# Altium PCB mchf_pro_ui.PcbDoc (part 3 of 5)
Units mil, origin at the board's own origin, x right, y up, seen from the top; angles counter-clockwise.
Board outline 7877.73 x 5661.04 mil, 2 copper layers (Top Layer, Bottom Layer); 336 components, 338 nets, 1291 pads, 827 vias.
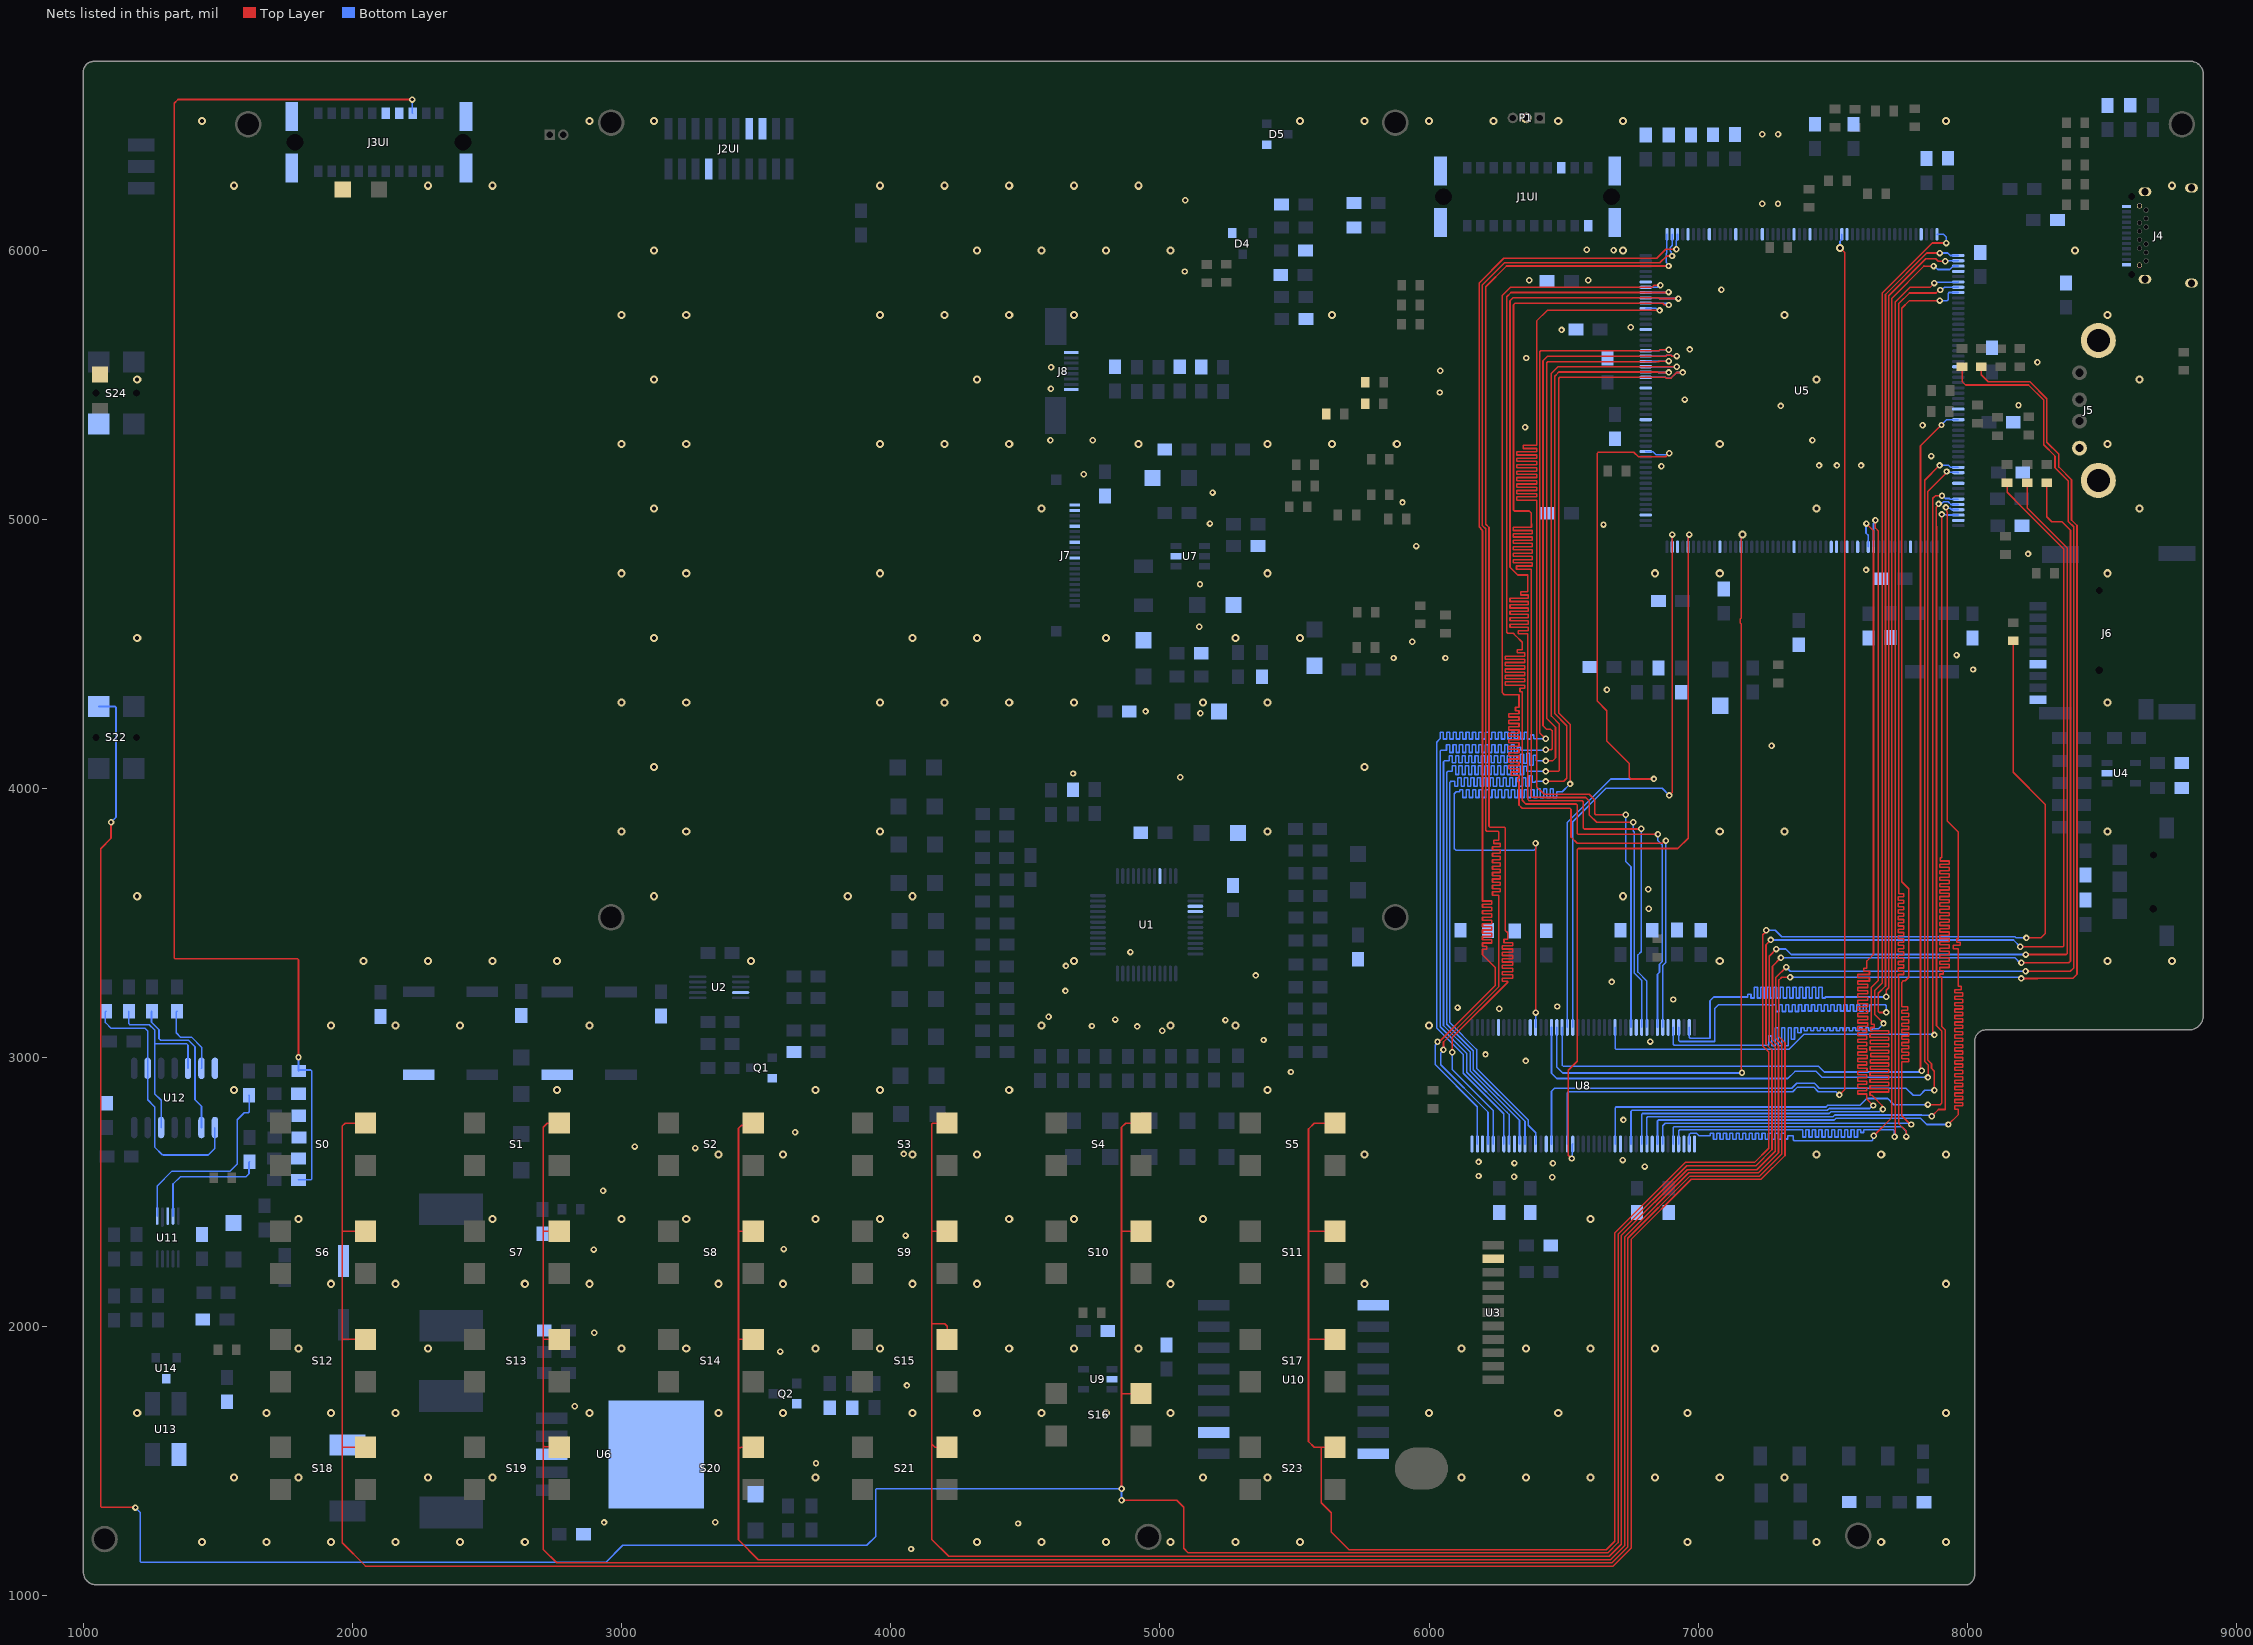
[diagram p3: the nets of this part, all layers, seen from the top]

## Via types
v1: diameter 24, hole 12, Top Layer to Bottom Layer, 621 vias
v2: diameter 30, hole 15, Top Layer to Bottom Layer, 206 vias

## Nets (pads, with @x,y where several pads share a name; then routed paths per layer and width w, separated by ;. In a path a pad name is that pad's centre, name@x,y a point inside that pad or via, vN(x,y) a via of type N, cw(c..) or ccw(c..) an arc to the next point about the centre after c; other vN are vias at no path point) (continued)
FMC_D7: U5.81 U8.13 | length 4705.1
  Top Layer w6: v1(6395.91,3796.92) 6396.1,3796.72 v1(6396.1,3167.53) ; v1(6523.91,4017.44) 6524.01,4017.54 6524.01,4238.75 6482.28,4280.48 6482.28,5524.69 6485.79,5528.21 6878.82,5528.21 6881.82,5525.21 6899.22,5525.21 6920.22,5546.21 v1(6942.88,5546.21)
  Bottom Layer w6: U8.13@6395.91,3112.61 6396.1,3112.8 v1(6396.1,3167.53) ; v1(6395.91,3796.92) 6395.91,3776.34 6391.02,3771.45 6098.72,3771.45 6093.55,3776.62 6093.55,3980.47 6100.78,3987.7 6110.71,3987.7 6113.71,3987.7 6113.71,3996.25 6125.71,3996.25 6125.71,3966.87 6137.71,3966.87 6137.71,3996.25 6149.71,3996.25 6149.71,3966.87 6161.71,3966.87 6161.71,3996.25 6173.71,3996.25 6173.71,3966.87 6185.71,3966.87 6185.71,3996.25 6197.71,3996.25 6197.71,3966.87 6209.71,3966.87 6209.71,3996.25 6221.71,3996.25 6221.71,3966.87 6233.71,3966.87 6233.71,3996.25 6245.71,3996.25 6245.71,3966.87 6257.71,3966.87 6257.71,3996.25 6269.71,3996.25 6269.71,3966.87 6281.71,3966.87 6281.71,3996.25 6293.71,3996.25 6293.71,3966.87 6305.71,3966.87 6305.71,3996.25 6317.71,3996.25 6317.71,3966.87 6329.71,3966.87 6329.71,3996.25 6341.71,3996.25 6341.71,3966.87 6353.71,3966.87 6353.71,3996.25 6365.71,3996.25 6365.71,3966.87 6377.71,3966.87 6377.71,3996.25 6389.71,3996.25 6389.71,3966.87 6401.71,3966.87 6401.71,3999.24 6413.71,3999.24 6413.71,3966.87 6425.71,3966.87 6425.71,3999.24 6437.71,3999.24 6437.71,3966.87 6449.71,3966.87 6449.71,3999.24 6461.71,3999.24 6461.71,3966.87 6473.71,3966.87 6473.71,3987.7 6479.3,3987.7 6494.36,3987.7 6523.91,4017.25 v1(6523.91,4017.44) ; U5.81@6805.08,5528.13 6805.16,5528.21 6878.82,5528.21 6881.82,5525.21 6899.22,5525.21 6920.22,5546.21 v1(6942.88,5546.21)
FMC_D8: U5.82 U8.74 | length 4740.3
  Top Layer w6: v1(6433.52,4026.78) 6500.07,4026.78 6512.01,4038.71 6512.01,4233.78 6466.52,4279.27 6466.52,5531.78 6478.76,5544.02 6478.76,5544.3 6482.28,5547.81 6850.37,5547.81 6851.97,5546.21 v1(6890.52,5546.21)
  Bottom Layer w6: U8.74@6395.91,2679.53 6395.91,2721.32 6368.54,2748.69 6368.54,2768.65 6176.52,2960.66 6176.52,3030.81 6077.52,3129.81 6077.52,4023.27 6080.11,4025.86 6081.04,4026.78 6095.11,4026.78 6095.11,4008.25 6107.11,4008.25 6107.11,4040.43 6119.11,4040.43 6119.11,4008.25 6131.11,4008.25 6131.11,4040.43 6143.11,4040.43 6143.11,4008.25 6155.11,4008.25 6155.11,4040.43 6167.11,4040.43 6167.11,4008.25 6179.11,4008.25 6179.11,4040.43 6191.11,4040.43 6191.11,4008.25 6203.11,4008.25 6203.11,4040.43 6215.11,4040.43 6215.11,4008.25 6227.11,4008.25 6227.11,4040.43 6239.11,4040.43 6239.11,4008.25 6251.11,4008.25 6251.11,4040.43 6263.11,4040.43 6263.11,4008.25 6275.11,4008.25 6275.11,4040.43 6287.11,4040.43 6287.11,4008.25 6299.11,4008.25 6299.11,4040.43 6311.11,4040.43 6311.11,4008.25 6323.11,4008.25 6323.11,4040.43 6335.11,4040.43 6335.11,4008.25 6347.11,4008.25 6347.11,4040.43 6359.11,4040.43 6359.11,4008.25 6371.11,4008.25 6371.11,4048.25 6383.11,4048.25 6383.11,4023.57 6395.11,4023.57 6395.11,4026.78 6404.49,4026.78 v1(6433.52,4026.78) ; U5.82@6805.08,5547.81 6850.37,5547.81 6851.97,5546.21 v1(6890.52,5546.21)
FMC_D9: U5.83 U8.76 | length 4740.2
  Top Layer w6: v1(6433.52,4063.78) 6479.62,4063.78 6483.14,4067.3 6483.14,4240.94 6454.52,4269.56 6454.52,5542.97 6478.76,5567.21 6878.76,5567.21 6879.05,5567.5 v1(6920.28,5567.5)
  Bottom Layer w6: U8.76@6356.54,2679.53 6356.54,2763.67 6164.52,2955.69 6164.52,3025.84 6065.52,3124.84 6065.52,4060.27 6069.04,4063.78 6083.8,4063.78 6086.8,4063.78 6086.8,4084.33 6098.8,4084.33 6098.8,4052.43 6110.8,4052.43 6110.8,4084.33 6122.8,4084.33 6122.8,4052.43 6134.8,4052.43 6134.8,4084.33 6146.8,4084.33 6146.8,4052.43 6158.8,4052.43 6158.8,4084.33 6170.8,4084.33 6170.8,4052.43 6182.8,4052.43 6182.8,4084.33 6194.8,4084.33 6194.8,4052.43 6206.8,4052.43 6206.8,4084.33 6218.8,4084.33 6218.8,4052.43 6230.8,4052.43 6230.8,4084.33 6242.8,4084.33 6242.8,4052.43 6254.8,4052.43 6254.8,4084.33 6266.8,4084.33 6266.8,4052.43 6278.8,4052.43 6278.8,4084.33 6290.8,4084.33 6290.8,4052.43 6302.8,4052.43 6302.8,4084.33 6314.8,4084.33 6314.8,4052.43 6326.8,4052.43 6326.8,4084.33 6338.8,4084.33 6338.8,4052.43 6350.8,4052.43 6350.8,4082.78 6362.8,4082.78 6362.8,4063.78 6374.8,4063.78 6427.79,4063.78 v1(6433.52,4063.78) ; U5.83@6805.08,5567.5 v1(6920.28,5567.5)
FMC_D10: U5.84 U8.77 | length 4741.8
  Top Layer w6: v1(6433.52,4102.78) 6458.76,4102.78 6469.91,4113.92 6469.91,4228.4 6437.71,4260.59 6437.71,5582.69 6441.23,5586.21 6853.47,5586.21 6855.76,5588.5 v1(6890.52,5588.5)
  Bottom Layer w6: U8.77@6336.86,2679.53 6336.04,2680.35 6336.04,2767.2 6152.52,2950.72 6152.52,3020.87 6053.52,3119.87 6053.52,4099.27 6057.04,4102.78 6071.72,4102.78 6074.72,4102.78 6074.72,4121.9 6086.72,4121.9 6086.72,4096.33 6098.72,4096.33 6098.72,4121.9 6110.72,4121.9 6110.72,4096.33 6122.72,4096.33 6122.72,4121.9 6134.72,4121.9 6134.72,4096.33 6146.72,4096.33 6146.72,4121.9 6158.72,4121.9 6158.72,4096.33 6170.72,4096.33 6170.72,4121.9 6182.72,4121.9 6182.72,4096.33 6194.72,4096.33 6194.72,4121.9 6206.72,4121.9 6206.72,4096.33 6218.72,4096.33 6218.72,4121.9 6230.72,4121.9 6230.72,4096.33 6242.72,4096.33 6242.72,4121.9 6254.72,4121.9 6254.72,4096.33 6266.72,4096.33 6266.72,4121.9 6278.72,4121.9 6278.72,4096.33 6290.72,4096.33 6290.72,4121.9 6302.72,4121.9 6302.72,4096.33 6314.72,4096.33 6314.72,4121.9 6326.72,4121.9 6326.72,4096.33 6338.72,4096.33 6338.72,4127.19 6350.72,4127.19 6350.72,4094.78 6362.72,4094.78 6362.72,4130.76 6374.72,4130.76 6374.72,4086.49 6386.72,4086.49 6386.72,4124.09 6398.72,4124.09 6398.72,4102.78 6408.69,4102.78 v1(6433.52,4102.78) ; U5.84@6805.08,5587.18 6805.43,5586.84 6843.25,5586.84 6844.9,5588.5 v1(6890.52,5588.5)
FMC_D11: U5.85 U8.79 | length 4740.2
  Top Layer w6: v1(6433.52,4144.35) 6454.09,4144.35 6457.61,4147.86 6457.61,4214.7 6452.52,4219.78 6437.52,4219.78 6423.52,4233.78 6423.52,5590.11 6440.28,5606.87 6879.19,5606.87 6881.82,5609.5 6899.22,5609.5 6901.85,5606.87 v1(6920.28,5606.87)
  Bottom Layer w6: U8.79@6297.49,2679.53 6297.49,2788.64 6289.8,2796.33 6289.8,2796.47 6140.52,2945.75 6140.52,3015.78 6041.52,3114.78 6041.52,4139.24 6045.04,4142.76 6061.78,4142.76 6064.78,4142.76 6064.78,4163.16 6076.78,4163.16 6076.78,4133.9 6088.78,4133.9 6088.78,4163.16 6100.78,4163.16 6100.78,4133.9 6112.78,4133.9 6112.78,4163.16 6124.78,4163.16 6124.78,4133.9 6136.78,4133.9 6136.78,4163.16 6148.78,4163.16 6148.78,4133.9 6160.78,4133.9 6160.78,4163.16 6172.78,4163.16 6172.78,4133.9 6184.78,4133.9 6184.78,4163.16 6196.78,4163.16 6196.78,4133.9 6208.78,4133.9 6208.78,4163.16 6220.78,4163.16 6220.78,4133.9 6232.78,4133.9 6232.78,4163.16 6244.78,4163.16 6244.78,4133.9 6256.78,4133.9 6256.78,4163.16 6268.78,4163.16 6268.78,4133.9 6280.78,4133.9 6280.78,4163.16 6292.78,4163.16 6292.78,4133.9 6304.78,4133.9 6304.78,4163.16 6316.78,4163.16 6316.78,4133.9 6328.78,4133.9 6328.78,4154.12 6340.78,4154.12 6340.78,4142.76 6401.17,4142.76 6431.93,4142.76 v1(6433.52,4144.35) ; U5.85@6805.08,5606.87 6879.19,5606.87 6881.82,5609.5 6899.22,5609.5 6901.85,5606.87 v1(6920.28,5606.87)
FMC_D12: U5.86 U8.80 | length 4740.2
  Top Layer w6: v1(6433.52,4184.78) 6411.52,4206.78 6411.52,5623.04 6415.04,5626.55 6853.76,5626.55 6857.71,5630.5 v1(6890.52,5630.5)
  Bottom Layer w6: U8.80@6277.8,2679.53 6277.8,2791.5 6127.21,2942.1 6127.21,3011.96 6028.52,3110.65 6028.52,4172.63 6038.29,4182.4 6040.67,4184.78 6041.29,4184.78 6041.29,4208.84 6053.29,4208.84 6053.29,4184.24 6065.29,4184.24 6065.29,4208.84 6077.29,4208.84 6077.29,4184.24 6089.29,4184.24 6089.29,4208.84 6101.29,4208.84 6101.29,4184.24 6113.29,4184.24 6113.29,4208.84 6125.29,4208.84 6125.29,4184.24 6137.29,4184.24 6137.29,4208.84 6149.29,4208.84 6149.29,4184.24 6161.29,4184.24 6161.29,4208.84 6173.29,4208.84 6173.29,4184.24 6185.29,4184.24 6185.29,4208.84 6197.29,4208.84 6197.29,4184.24 6209.29,4184.24 6209.29,4208.84 6221.29,4208.84 6221.29,4184.24 6233.29,4184.24 6233.29,4208.84 6245.29,4208.84 6245.29,4184.24 6257.29,4184.24 6257.29,4208.84 6269.29,4208.84 6269.29,4184.24 6281.29,4184.24 6281.29,4208.84 6293.29,4208.84 6293.29,4184.24 6305.29,4184.24 6305.29,4208.84 6317.29,4208.84 6317.29,4184.24 6329.29,4184.24 6329.29,4208.84 6341.29,4208.84 6341.29,4184.24 6353.29,4184.24 6353.29,4208.84 6365.29,4208.84 6365.29,4184.24 6377.29,4184.24 6377.29,4198.92 6389.29,4198.92 6389.29,4184.78 6403,4184.78 v1(6433.52,4184.78) ; U5.86@6805.08,5626.55 6853.76,5626.55 6857.71,5630.5 v1(6890.52,5630.5)
FMC_D13: U5.105 U8.82 | length 4738.7
  Top Layer w6: v1@6085.52,3021.78 6085.52,3073.78 6292.52,3280.78 6292.52,3283.78 6271.45,3283.78 6271.45,3295.78 6311.42,3295.78 6311.42,3307.78 6271.45,3307.78 6271.45,3319.78 6311.42,3319.78 6311.42,3331.78 6271.45,3331.78 6271.45,3343.78 6311.42,3343.78 6311.42,3355.78 6271.45,3355.78 6271.45,3367.78 6311.42,3367.78 6311.42,3379.78 6271.45,3379.78 6271.45,3391.78 6311.42,3391.78 6311.42,3403.78 6271.45,3403.78 6271.45,3415.78 6311.42,3415.78 6311.42,3427.78 6278.28,3427.78 6278.28,3439.78 6292.52,3439.78 6292.52,3460.41 6292.52,3464.1 6282.5,3474.12 6282.5,3853.38 6278.98,3856.89 6226.04,3856.89 6222.52,3860.41 6222.52,4970.27 6210.52,4982.27 6210.52,5864.56 6287.47,5941.51 6889.57,5941.51 v1(6889.83,5941.78)
  Bottom Layer w6: v1(6086.29,3020.35) 6086.29,2956.01 6238.43,2803.87 U8.82@6238.43,2679.53 ; U5.105@6883.82,6059.62 6883.82,5990.81 6881.89,5988.87 6881.89,5954.59 6889.83,5946.65 v1(6889.83,5941.78)
FMC_D14: U5.106 U8.83 | length 4752.2
  Top Layer w6: v1(6053.52,3029.78) 6053.52,3058.75 6259.45,3264.68 6259.45,3601.12 6259.45,3604.12 6235.51,3604.12 6235.51,3616.12 6265.1,3616.12 6265.1,3628.12 6235.51,3628.12 6235.51,3640.12 6265.1,3640.12 6265.1,3652.12 6235.51,3652.12 6235.51,3664.12 6265.1,3664.12 6265.1,3676.12 6235.51,3676.12 6235.51,3688.12 6265.1,3688.12 6265.1,3700.12 6235.51,3700.12 6235.51,3712.12 6265.1,3712.12 6265.1,3724.12 6235.51,3724.12 6235.51,3736.12 6265.1,3736.12 6265.1,3748.12 6235.51,3748.12 6235.51,3760.12 6265.1,3760.12 6265.1,3772.12 6235.51,3772.12 6235.51,3784.12 6265.1,3784.12 6265.1,3796.12 6239.85,3796.12 6239.85,3808.12 6259.45,3808.12 6259.45,3823.51 6259.45,3838.39 6255.93,3841.9 6214.04,3841.9 6210.52,3845.42 6210.52,4965.3 6198.11,4977.71 6198.11,5871.08 6280.55,5953.51 6857.3,5953.51 6882.63,5978.85 v1(6902.89,5978.85)
  Bottom Layer w6: v1(6053.52,3029.78) 6053.52,3027.7 6043.09,3017.27 6043.09,2973.6 6218.75,2797.95 U8.83@6218.75,2679.53 ; v1(6902.89,5978.85) 6899.44,5982.29 6899.44,5993.97 6896.69,5996.72 6896.69,6011.74 6903.51,6018.56 U5.106@6903.51,6059.62
FMC_D15: U5.107 U8.85 | length 4732.7
  Top Layer w6: v1@6030.52,3060.78 6037.6,3060.78 6042.09,3065.27 6043.07,3065.27 6148.06,3170.26 6246.02,3268.23 6246.02,3335.28 6198.52,3382.78 6198.52,3384.22 6198.52,3402.38 6214.41,3402.38 6214.41,3414.38 6198.52,3414.38 6198.52,3426.38 6232.37,3426.38 6232.37,3438.38 6198.52,3438.38 6198.52,3450.38 6232.37,3450.38 6232.37,3462.38 6198.52,3462.38 6198.52,3474.38 6232.37,3474.38 6232.37,3486.38 6198.52,3486.38 6198.52,3498.38 6232.37,3498.38 6232.37,3510.38 6198.52,3510.38 6198.52,3522.38 6232.37,3522.38 6232.37,3534.38 6198.52,3534.38 6198.52,3546.38 6232.37,3546.38 6232.37,3558.38 6198.46,3558.38 6198.46,3570.38 6232.37,3570.38 6232.37,3582.38 6198.52,3582.38 6198.52,3585.38 6198.52,4958.07 6198.12,4960.38 6186.11,4972.39 6186.11,5878.79 6277.54,5970.22 6845.77,5970.22 6879.77,6004.23 v1(6918.88,6004.23)
  Bottom Layer w6: v1(6031.29,3059.35) 6031.29,3055.61 6022.52,3046.83 6022.52,2975.18 6179.38,2818.32 U8.85@6179.38,2679.53 ; v1(6918.88,6004.23) 6918.88,6036.02 6923.19,6040.33 U5.107@6923.19,6059.62
FMC_D16: U5.94 U8.31 | length 4735.7
  Top Layer w6: v1(6730.52,3902.78) 6619.62,3902.78 6616.11,3906.3 6616.11,3957.78 6595.11,3978.78 6427.93,3978.78 6399.52,4007.19 6399.52,5068.66 6399.52,5071.66 6325.73,5071.66 6325.73,5083.66 6399.52,5083.66 6399.52,5095.66 6325.73,5095.66 6325.73,5107.66 6399.52,5107.66 6399.52,5119.66 6325.73,5119.66 6325.73,5131.66 6399.52,5131.66 6399.52,5143.66 6325.73,5143.66 6325.73,5155.66 6399.52,5155.66 6399.52,5167.66 6325.73,5167.66 6325.73,5179.66 6399.52,5179.66 6399.52,5191.66 6325.73,5191.66 6325.73,5203.66 6399.52,5203.66 6399.52,5215.66 6325.73,5215.66 6325.73,5227.66 6399.52,5227.66 6399.52,5239.66 6325.73,5239.66 6325.73,5251.66 6399.52,5251.66 6399.52,5263.66 6350,5263.66 6350,5275.66 6399.52,5275.66 6399.52,5306.24 6399.52,5736.97 6439.75,5777.19 v1@6853.76,5777.19
  Bottom Layer w6: v1@6730.52,3903.82 6730.52,3728.94 6750.24,3709.22 U8.31@6750.24,3112.61 ; U5.94@6805.08,5784.03 6843.25,5784.03 6850.09,5777.19 v1@6853.76,5777.19
  other v1: 6856.52,5776.78
FMC_D17: U5.95 U8.33 | length 4732
  Top Layer w6: v1(6758.52,3874.78) 6622.52,3874.78 6595.52,3901.78 6595.52,3953.78 6582.52,3966.78 6422.96,3966.78 6422.58,3967.17 6383.79,3967.17 6380.28,3970.68 6380.28,4811.92 6380.28,4814.92 6325.01,4814.92 6325.01,4826.92 6383.81,4826.92 6383.81,4838.92 6312.89,4838.92 6312.89,4850.92 6383.81,4850.92 6383.81,4862.92 6312.89,4862.92 6312.89,4874.92 6383.81,4874.92 6383.81,4886.92 6312.89,4886.92 6312.89,4898.92 6383.81,4898.92 6383.81,4910.92 6312.89,4910.92 6312.89,4922.92 6383.81,4922.92 6383.81,4934.92 6312.89,4934.92 6312.89,4946.92 6383.81,4946.92 6383.81,4958.92 6312.89,4958.92 6312.89,4970.92 6380.54,4970.92 6380.54,4982.92 6380.28,4982.92 6380.28,5017.29 6380.28,5022.66 6371.7,5031.24 6317.52,5031.24 6313.73,5035.03 6313.73,5798.13 6319.31,5803.72 6867.97,5803.72 6873.87,5797.82 6889.48,5797.82 v1(6890.52,5796.78)
  Bottom Layer w6: v1(6758.52,3874.78) 6758.52,3841.99 6762.98,3837.53 6762.98,3314.32 6789.61,3287.69 U8.33@6789.61,3112.61 ; U5.95@6805.08,5803.72 v1@6882.76,5803.72
FMC_D18: U5.96 U8.34 | length 4740.2
  Top Layer w6: v1(6788.22,3850.93) 6787.08,3849.78 6576.62,3849.78 6573.11,3853.3 6573.11,3951.27 6569.59,3954.78 6417.99,3954.78 6417.6,3955.17 6371.86,3955.17 6367.28,3959.75 6367.28,4572.08 6367.28,4575.08 6331.5,4575.08 6331.5,4587.08 6368.28,4587.08 6368.28,4599.08 6300.89,4599.08 6300.89,4611.08 6368.28,4611.08 6368.28,4623.08 6300.89,4623.08 6300.89,4635.08 6368.28,4635.08 6368.28,4647.08 6300.89,4647.08 6300.89,4659.08 6368.28,4659.08 6368.28,4671.08 6300.89,4671.08 6300.89,4683.08 6368.28,4683.08 6368.28,4695.08 6300.89,4695.08 6300.89,4707.08 6368.28,4707.08 6368.28,4719.08 6339.99,4719.08 6339.99,4731.08 6367.28,4731.08 6367.28,4765.73 6367.28,4793.58 6329.38,4793.58 6300.89,4822.08 6300.89,5812.79 6311.5,5823.4 6853.76,5823.4 6856.38,5820.78 v1(6926.63,5820.78)
  Bottom Layer w6: v1(6788.22,3850.93) 6788.22,3393.87 6775.93,3381.59 6775.93,3318.34 6809.3,3284.98 U8.34@6809.3,3112.61 ; U5.96@6805.08,5823.4 6853.76,5823.4 6856.38,5820.78 v1(6926.63,5820.78)
FMC_D19: U5.97 U8.36 | length 4740.2
  Top Layer w6: v1(6850.33,3829.93) 6554.04,3829.93 6550.52,3833.44 6550.52,3939.27 6547.01,3942.78 6413.02,3942.78 6412.89,3942.91 6359.25,3942.91 6345.95,3956.21 6345.95,4357.34 6345.95,4360.34 6337.84,4360.34 6337.84,4372.34 6355.28,4372.34 6355.28,4384.34 6283.45,4384.34 6283.45,4396.34 6355.28,4396.34 6355.28,4408.34 6283.45,4408.34 6283.45,4420.34 6355.28,4420.34 6355.28,4432.34 6283.45,4432.34 6283.45,4444.34 6355.28,4444.34 6355.28,4456.34 6283.45,4456.34 6283.45,4468.34 6355.28,4468.34 6355.28,4480.34 6283.45,4480.34 6283.45,4492.34 6355.28,4492.34 6355.28,4504.34 6328.12,4504.34 6328.12,4516.34 6345.95,4516.34 6345.95,4543.67 6321.04,4568.57 6312.25,4577.37 6292.4,4577.37 6288.89,4580.88 6288.89,5827.81 6304.17,5843.09 6888.4,5843.09 v1(6890.1,5844.78)
  Bottom Layer w6: U5.97@6805.08,5843.09 6888.4,5843.09 v1(6890.1,5844.78) ; U8.36@6848.67,3112.61 6848.67,3309.65 6856.35,3317.33 6856.35,3347.77 6867.11,3358.53 6867.11,3789.42 6850.33,3806.21 v1(6850.33,3829.93)
FMC_D20: U5.98 U8.37 | length 4741.8
  Top Layer w6: v1(6859.52,5869.78) 6835.53,5869.78 6828.52,5862.77 6302.18,5862.77 6271.45,5832.04 6271.45,4357.34 6279.8,4348.99 6333.95,4348.99 6333.95,4301.81 6321.08,4301.81 6321.08,4289.81 6333.95,4289.81 6333.95,4277.81 6296.74,4277.81 6296.74,4265.81 6333.95,4265.81 6333.95,4253.81 6296.74,4253.81 6296.74,4241.81 6333.95,4241.81 6333.95,4229.81 6296.74,4229.81 6296.74,4217.81 6333.95,4217.81 6333.95,4205.81 6296.74,4205.81 6296.74,4193.81 6333.95,4193.81 6333.95,4181.81 6296.74,4181.81 6296.74,4169.81 6333.95,4169.81 6333.95,4157.81 6296.74,4157.81 6296.74,4145.81 6333.95,4145.81 6333.95,4133.81 6296.74,4133.81 6296.74,4121.81 6333.95,4121.81 6333.95,4109.81 6296.74,4109.81 6296.74,4097.81 6333.95,4097.81 6333.95,4085.81 6296.74,4085.81 6296.74,4073.81 6333.95,4073.81 6333.95,4061.81 6305.67,4061.81 6305.67,4049.81 6333.95,4049.81 6333.95,4037.81 6329.39,4037.81 6329.39,4025.81 6333.95,4025.81 6333.95,4022.8 6333.95,3938.85 6345.95,3926.85 6524.01,3926.85 6527.52,3923.33 6527.52,3819.92 6550.52,3796.92 6867.37,3796.92 6876.8,3806.35 v1(6879.88,3806.35)
  Bottom Layer w6: U5.98@6805.08,5862.77 6847.64,5862.77 6854.65,5869.78 v1(6859.52,5869.78) ; U8.37@6868.35,3112.61 6868.35,3342.8 6879.11,3353.55 v1@6879.11,3807.78
FMC_D21: U5.156 U8.39 | length 4741
  Top Layer w6: v1(7688.52,3127.57) 7656.55,3159.54 7656.55,3250.28 7683.76,3277.5 7683.76,5841.03 7869.79,6027.06 v1(7921.86,6027.06)
  Bottom Layer w6: U8.39@6907.72,3112.61 6907.72,3049.7 6911.24,3046.18 7213.98,3046.18 7261.88,3046.18 7261.88,3080.67 7273.88,3080.67 7273.88,3044.07 7285.88,3044.07 7285.88,3111 7297.88,3111 7297.88,3044.07 7309.88,3044.07 7309.88,3111 7321.88,3111 7321.88,3044.12 7333.88,3044.12 7333.88,3111 7345.88,3111 7345.88,3068.12 7357.88,3068.12 7357.88,3111 7369.88,3111 7369.88,3092.12 7381.88,3092.12 7381.88,3111 7393.88,3111 7393.88,3099.78 7405.88,3099.78 7405.88,3111 7417.88,3111 7417.88,3099.78 7429.88,3099.78 7429.88,3111 7441.88,3111 7441.88,3099.78 7453.88,3099.78 7453.88,3111 7465.88,3111 7465.88,3099.78 7477.88,3099.78 7477.88,3111 7489.88,3111 7489.88,3099.78 7501.88,3099.78 7501.88,3111 7513.88,3111 7513.88,3099.78 7525.88,3099.78 7525.88,3111 7537.88,3111 7537.88,3099.78 7549.88,3099.78 7549.88,3111 7561.88,3111 7561.88,3099.78 7573.88,3099.78 7573.88,3111 7585.88,3111 7585.88,3099.78 7597.88,3099.78 7597.88,3111 7609.88,3111 7609.88,3099.78 7621.88,3099.78 7621.88,3111 7633.88,3111 7633.88,3099.78 7645.88,3099.78 7645.88,3107.78 7648.89,3107.78 7669.52,3107.78 v1@7688.52,3126.78 ; U5.156@7888.87,6058.51 U5.156@7887.76,6059.62 7911.37,6059.62 7921.86,6049.13 v1(7921.86,6027.06)
FMC_D22: U5.157 U8.40 | length 4739.2
  Top Layer w6: v1(7698.76,3168.11) 7672.06,3168.11 7668.55,3171.62 7668.55,3239.35 7695.76,3266.57 7695.76,5836.06 7849.61,5989.9 v1(7897.28,5989.9) ; v1@7896.51,5981.13 v1@7896.76,5980.88
  Bottom Layer w6: U8.40@6927.41,3112.61 6927.41,3063.62 6930.92,3060.11 7061.01,3060.11 7061.01,3182.49 7075.18,3196.66 7264.81,3196.66 7264.81,3194.79 7276.81,3194.79 7276.81,3196.78 7288.81,3196.78 7288.81,3171.9 7300.81,3171.9 7300.81,3196.78 7312.81,3196.78 7312.81,3171.9 7324.81,3171.9 7324.81,3196.78 7336.81,3196.78 7336.81,3171.9 7348.81,3171.9 7348.81,3196.78 7360.81,3196.78 7360.81,3171.9 7372.81,3171.9 7372.81,3196.78 7384.81,3196.78 7384.81,3173.63 7396.81,3173.63 7396.81,3196.78 7408.81,3196.78 7408.81,3173.63 7420.81,3173.63 7420.81,3196.78 7432.81,3196.78 7432.81,3173.63 7444.81,3173.63 7444.81,3196.78 7456.81,3196.78 7456.81,3173.63 7468.81,3173.63 7468.81,3196.78 7480.81,3196.78 7480.81,3173.63 7492.81,3173.63 7492.81,3196.78 7504.81,3196.78 7504.81,3173.63 7516.81,3173.63 7516.81,3196.78 7528.81,3196.78 7528.81,3173.58 7540.81,3173.58 7540.81,3196.78 7552.81,3196.78 7552.81,3173.63 7564.81,3173.63 7564.81,3196.78 7576.81,3196.78 7576.81,3172.51 7588.81,3172.51 7588.81,3196.78 7600.81,3196.78 7600.81,3173.63 7612.81,3173.63 7612.81,3196.78 7624.81,3196.78 7624.81,3172.57 7636.81,3172.57 7636.81,3196.66 7639.81,3196.66 7695.25,3196.66 7698.76,3193.15 v1(7698.76,3168.11) ; v1(7897.28,5989.9) 7897.44,5990.06 7927.08,5990.06 7936.26,5980.88 U5.157@7966.5,5980.88
FMC_D23: U5.158 U8.42 | length 4738.7
  Top Layer w6: v1(7698.76,3226.57) 7698.76,3250.61 7707.76,3259.61 7707.76,5831.09 7845.81,5969.13 7882.4,5969.13 7891.76,5959.78 v1(7918.3,5959.78)
  Bottom Layer w6: U8.42@6966.78,3112.61 6966.78,3075.62 6970.29,3072.11 7043.66,3072.11 7043.66,3211.43 7058.01,3225.78 7167.02,3225.78 7184.38,3225.78 7184.38,3235.17 7196.38,3235.17 7196.38,3222.01 7208.38,3222.01 7208.38,3261.52 7220.38,3261.52 7220.38,3222.01 7232.38,3222.01 7232.38,3261.52 7244.38,3261.52 7244.38,3222.01 7256.38,3222.01 7256.38,3261.52 7268.38,3261.52 7268.38,3222.01 7280.38,3222.01 7280.38,3261.52 7292.38,3261.52 7292.38,3222.01 7304.38,3222.01 7304.38,3261.52 7316.38,3261.52 7316.38,3222.01 7328.38,3222.01 7328.38,3261.52 7340.38,3261.52 7340.38,3222.01 7352.38,3222.01 7352.38,3261.52 7364.38,3261.52 7364.38,3222.01 7376.38,3222.01 7376.38,3261.52 7388.38,3261.52 7388.38,3222.01 7400.38,3222.01 7400.38,3261.52 7412.38,3261.52 7412.38,3222.01 7424.38,3222.01 7424.38,3261.52 7436.38,3261.52 7436.38,3222.01 7448.38,3222.01 7448.38,3261.52 7460.38,3261.52 7460.38,3222.01 7472.38,3222.01 7472.38,3225.78 7475.38,3225.78 v1@7697.52,3225.78 ; v1(7918.3,5959.78) 7919.72,5961.2 U5.158@7966.5,5961.2